# KiCad board line follower simple.kicad_pcb
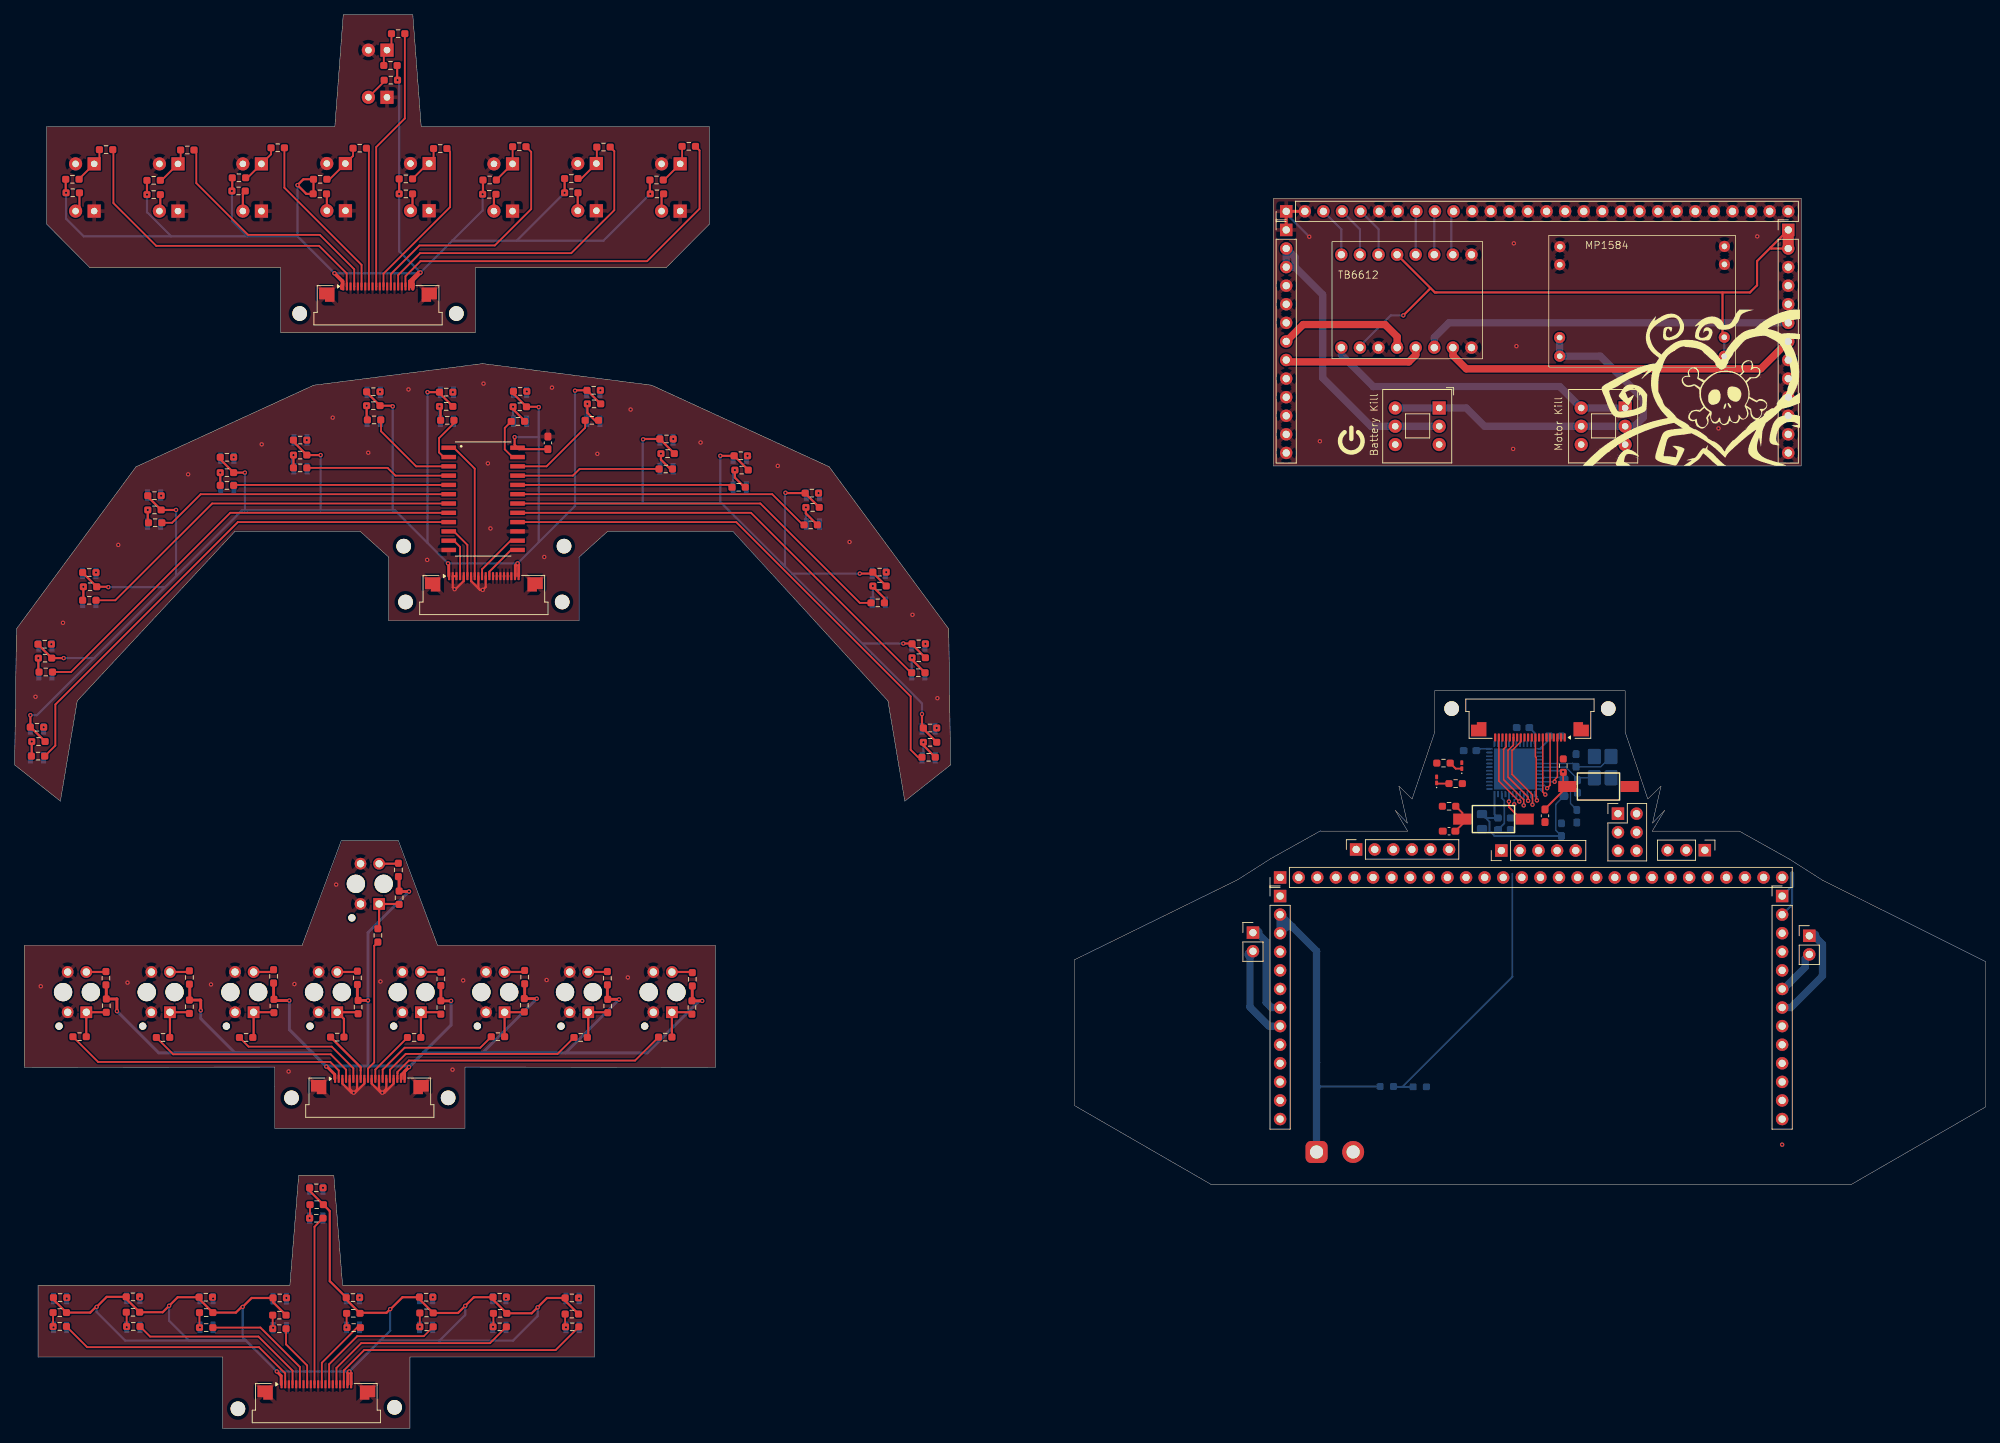
[diagram p0: board, top side]
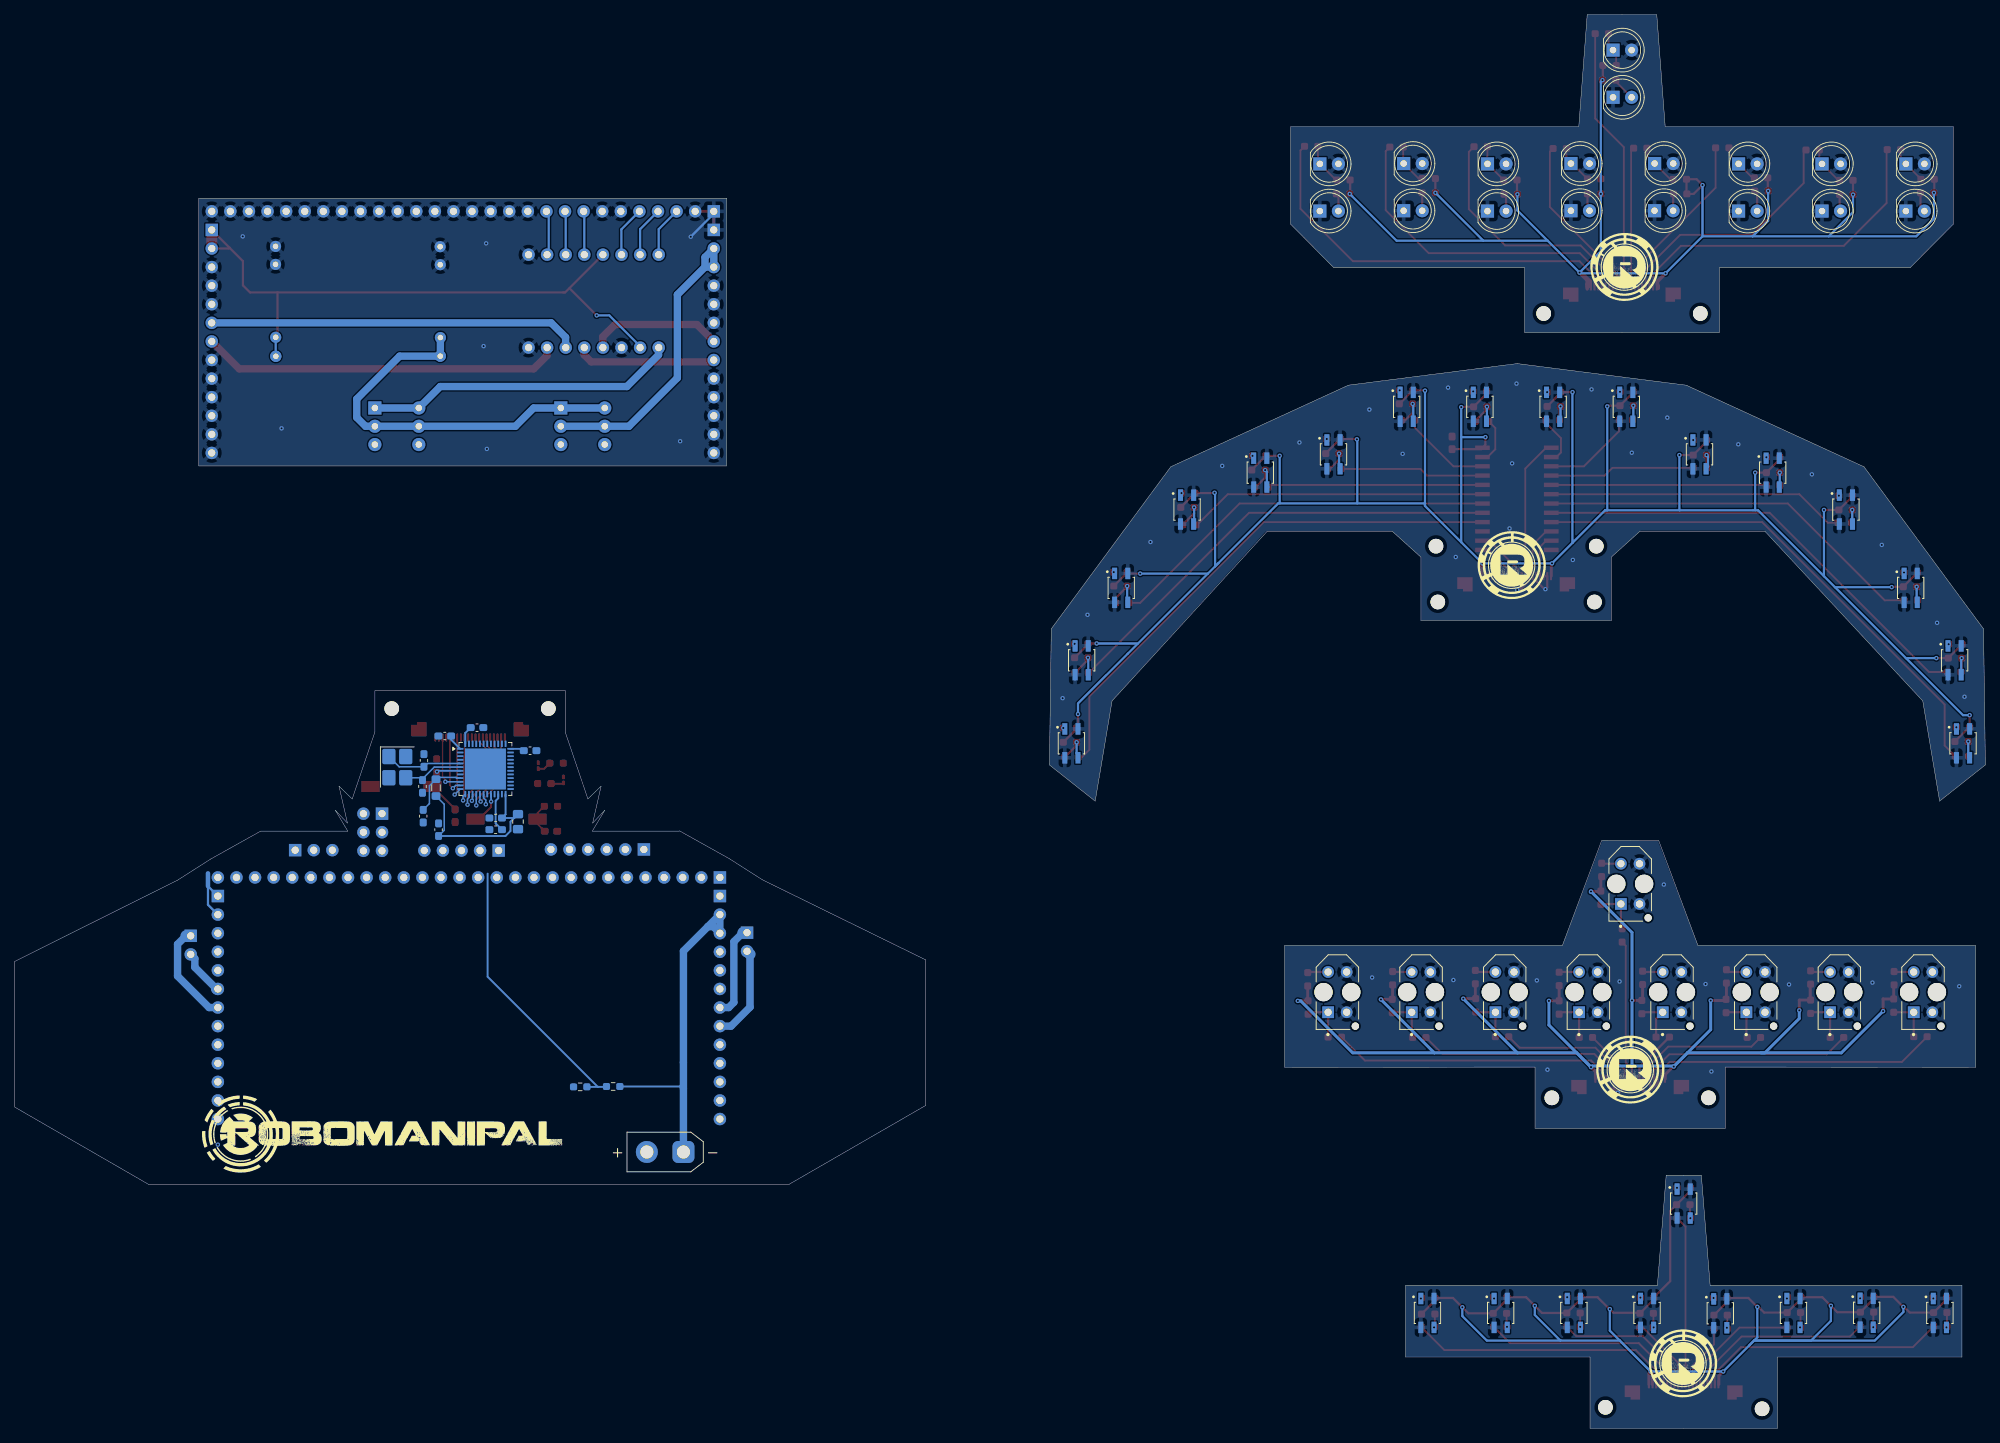
[diagram p1: board, bottom side, seen from below]

Outline 269.21 x 193.22 mm; copper layers: Top, Bottom. Coordinates in mm from the lower left corner of the outline.
Outline path: 81,122.6 77.1,119.08 77.1,110.4 51.1,110.4 51.1,119.08 47.2,122.6 30.1,122.6 8.55,99.43 6.25,85.73 0,90.68 0.25,109.28 16.58,131.43 40.85,142.58 63.9,145.53 63.95,145.53 87,142.58 111.27,131.43 127.6,109.28 127.85,90.68 121.6,85.73 119.3,99.43 98.11,122.6 81.01,122.6 ; 178.4,81.68 171.6,77.88 167.05,74.98 144.78,64.04 144.76,44.13 163.4,33.36 250.93,33.36 269.21,43.92 269.21,63.82 246.95,74.93 242.4,77.83 235.6,81.63 223.7,81.63 225.4,84.48 223.75,82.73 224.9,87.78 223.1,86.03 220,95.18 220,100.83 194,100.83 194,95.18 190.9,86.03 189.1,87.78 190.25,82.73 188.6,84.48 190.3,81.63 178.4,81.63 ; 1.32,66.03 39.27,66.03 44.62,80.33 52.42,80.33 57.77,66.03 95.72,66.03 95.72,49.35 61.52,49.38 61.52,41.03 35.52,41.03 35.52,49.38 1.32,49.35 1.32,66.03 ; 3.2,19.55 3.2,9.75 28.4,9.75 28.4,0 54,0 54,9.75 79.2,9.75 79.2,19.55 44.8,19.55 43.6,34.6 38.8,34.6 37.6,19.55 3.2,19.55 ; 4.39,164.57 4.39,177.92 43.74,177.92 44.89,193.22 54.39,193.22 55.54,177.92 94.89,177.92 94.89,164.57 88.99,158.62 62.94,158.62 62.94,149.77 36.34,149.77 36.34,158.62 10.29,158.62 4.39,164.57 ; 171.93,168.12 171.95,131.54 244.06,131.54 244.06,168.12 171.93,168.12
Stack: dielectric 0mm FR4 er 4.5 / Top 0.035mm / dielectric 1.51mm FR4 er 4.5 / Bottom 0.035mm / dielectric 0mm FR4 er 4.5

## Placement (name value [footprint] x y rotation side)
BT2  ~  [PinSocket_1x06_P2.54mm_Vertical]  183.25 79.13 90 top
C3  100n  [C_0603_1608Metric_Pad1.08x0.95mm_HandSolder]  198.8 92.63 180 bottom
C4  100n  [C_0603_1608Metric_Pad1.08x0.95mm_HandSolder]  203.5 83.43 0 bottom
C5  0.1u  [C_0603_1608Metric_Pad1.08x0.95mm_HandSolder]  209.05 83.73 270 top
C6  12p  [C_0603_1608Metric_Pad1.08x0.95mm_HandSolder]  213.3 91.29 90 bottom
C7  12p  [C_0603_1608Metric_Pad1.08x0.95mm_HandSolder]  213.5 87.74 270 bottom
C8  100n  [C_0603_1608Metric_Pad1.08x0.95mm_HandSolder]  210.45 94.63 0 bottom
C9  100n  [C_0603_1608Metric_Pad1.08x0.95mm_HandSolder]  206.05 95.78 180 bottom
C10  100n  [C_0603_1608Metric_Pad1.08x0.95mm_HandSolder]  72.85 134.7 90 top
C12  2.2u  [C_0603_1608Metric_Pad1.08x0.95mm_HandSolder]  203.5 81.83 0 bottom
C13  100n  [C_0603_1608Metric_Pad1.08x0.95mm_HandSolder]  195.95 81.63 180 top
C24  100n  [C_0603_1608Metric_Pad1.08x0.95mm_HandSolder]  213.4 83.68 270 bottom
C25  10u  [C_0603_1608Metric_Pad1.08x0.95mm_HandSolder]  211.3 81.83 90 bottom
D1  LED  [LED_D5.0mm_Clear]  10.87 166.37 180 bottom
D2  LED  [LED_D5.0mm_Clear]  33.72 166.37 180 bottom
D3  LED  [LED_D5.0mm_Clear]  68.02 166.37 180 bottom
D4  LED  [LED_D5.0mm_Clear]  79.46 166.42 180 bottom
D5  LED  [LED_D5.0mm_Clear]  90.91 166.37 180 bottom
D6  LED  [LED_D5.0mm_Clear]  50.87 181.92 180 bottom
D7  LED  [LED_D5.0mm_Clear]  22.32 166.37 180 bottom
D8  LED  [LED_D5.0mm_Clear]  45.19 166.42 180 bottom
D9  LED  [LED_D5.0mm_Clear]  56.62 166.42 180 bottom
D10  LED  [LED_0201_0603Metric_Pad0.64x0.40mm_HandSolder]  197.69 90.58 90 top
D11  LED  [LED_0201_0603Metric_Pad0.64x0.40mm_HandSolder]  194.25 88.63 90 top
F1  200mA  [Fuse_0805_2012Metric_Pad1.15x1.40mm_HandSolder]  200.45 82.93 270 bottom
FB1  600  [L_0805_2012Metric_Pad1.05x1.20mm_HandSolder]  211.65 87.58 270 bottom
G***  -  [LOGO]  227.15 142.23 0 top
G***#2  -  [LOGO]  182.6 135.08 0 top
G***#3  -  [LOGO]  49.3 158.78 180 bottom
G***#4  -  [LOGO]  48.5 49.08 180 bottom
G***#5  LOGO  [robo_logo.pretty]  219 40.23 180 bottom
G***#6  -  [LOGO]  41.3 8.93 180 bottom
G***#7  -  [LOGO]  64.7 118.03 180 bottom
H1  MountingHole  [2mm hole]  197.06 96.09 0 top
H2  MountingHole  [2mm hole]  218.46 96.09 0 top
H3  MountingHole  [2mm hole]  54.16 110.66 0 top
H4  MountingHole  [2mm hole]  75.56 110.66 0 top
H5  MountingHole  [2mm hole]  53.91 118.29 0 top
H6  MountingHole  [2mm hole]  75.81 118.29 0 top
H7  MountingHole  [2mm hole]  38.58 42.89 0 top
H8  MountingHole  [2mm hole]  59.98 42.89 0 top
H9  MountingHole  [2mm hole]  31.26 0.39 0 top
H10  MountingHole  [2mm hole]  52.66 0.59 0 top
H11  MountingHole  [2mm hole]  39.7 150.09 0 top
H12  MountingHole  [2mm hole]  61.1 150.09 0 top
J1  XT30UPB-M  [AMASS_XT30UPB-M_1x02_P5.0mm_Vertical]  177.85 37.78 0 bottom
J2  Conn_01x20_MountingPin  [Amphenol_F32Q-1A7x1-11020_1x20-1MP_P0.5mm_Horizontal]  64.1 113.58 0 top
J3  Conn_01x02_Pin  [PinHeader_1x02_P2.54mm_Vertical]  169.16 67.75 0 top
J4  Conn_01x02_Pin  [PinHeader_1x02_P2.54mm_Vertical]  245.16 67.32 0 top
J5  Conn_01x28_Pin  [PinHeader_1x28_P2.54mm_Vertical]  173.7 166.34 90 top
J6  Conn_01x20_MountingPin  [Amphenol_F32Q-1A7x1-11020_1x20-1MP_P0.5mm_Horizontal]  48.52 44.88 0 top
J7  Conn_01x20_MountingPin  [Amphenol_F32Q-1A7x1-11020_1x20-1MP_P0.5mm_Horizontal]  207 97.33 180 top
J8  Conn_01x28_Pin  [PinHeader_1x28_P2.54mm_Vertical]  172.87 75.3 90 top
J9  Conn_01x20_MountingPin  [Amphenol_F32Q-1A7x1-11020_1x20-1MP_P0.5mm_Horizontal]  41.21 3.12 0 top
J10  Conn_01x13_Pin  [PinHeader_1x13_P2.54mm_Vertical]  172.87 72.76 0 top
J11  Conn_01x13_Pin  [PinHeader_1x13_P2.54mm_Vertical]  241.45 72.76 0 top
J12  Conn_01x13_Pin  [PinHeader_1x13_P2.54mm_Vertical]  173.7 163.8 0 top
J13  Conn_01x13_Pin  [PinHeader_1x13_P2.54mm_Vertical]  242.28 163.8 0 top
J14  Conn_01x20_MountingPin  [Amphenol_F32Q-1A7x1-11020_1x20-1MP_P0.5mm_Horizontal]  49.64 153.17 0 top
J15  Conn_01x05_Pin  [PinHeader_1x05_P2.54mm_Vertical]  203.09 78.98 90 top
J16  Conn_01x06_Pin  [PinHeader_2x03_P2.54mm_Vertical]  219.03 84.02 0 top
J17  Conn_01x03_Pin  [PinHeader_1x03_P2.54mm_Vertical]  230.89 79.03 270 top
MP1  ~  [MP1584_fp]  216.57 152.05 90 top
Q1  BPW40  [LED_D5.0mm_Clear]  90.91 172.82 180 bottom
Q2  BPW40  [LED_D5.0mm_Clear]  56.62 172.87 180 bottom
Q3  BPW40  [LED_D5.0mm_Clear]  22.32 172.82 180 bottom
Q4  BPW40  [LED_D5.0mm_Clear]  79.46 172.87 180 bottom
Q5  BPW40  [LED_D5.0mm_Clear]  45.18 172.87 180 bottom
Q6  BPW40  [LED_D5.0mm_Clear]  10.87 172.82 180 bottom
Q7  BPW40  [LED_D5.0mm_Clear]  68.02 172.82 180 bottom
Q8  BPW40  [LED_D5.0mm_Clear]  33.72 172.82 180 bottom
Q9  BPW40  [LED_D5.0mm_Clear]  50.87 188.37 180 bottom
R3  R_Small  [R_0603_1608Metric_Pad0.98x0.95mm_HandSolder]  7.94 168.87 0 top
R4  R_Small  [R_0603_1608Metric_Pad0.98x0.95mm_HandSolder]  87.69 170.62 180 top
R5  10k  [R_0603_1608Metric_Pad0.98x0.95mm_HandSolder]  187.45 46.73 180 bottom
R6  3.3k  [R_0603_1608Metric_Pad0.98x0.95mm_HandSolder]  191.95 46.68 180 bottom
R7  R_Small  [R_0603_1608Metric_Pad0.98x0.95mm_HandSolder]  92.09 175.22 180 top
R8  R_Small  [R_0603_1608Metric_Pad0.98x0.95mm_HandSolder]  30.59 169.12 0 top
R9  R_Small  [R_0603_1608Metric_Pad0.98x0.95mm_HandSolder]  64.84 168.67 0 top
R10  R_Small  [R_0603_1608Metric_Pad0.98x0.95mm_HandSolder]  76.04 168.87 0 top
R11  R_Small  [R_0603_1608Metric_Pad0.98x0.95mm_HandSolder]  87.74 168.72 0 top
R12  R_Small  [R_0603_1608Metric_Pad0.98x0.95mm_HandSolder]  51.39 184.27 180 top
R13  R_Small  [R_0603_1608Metric_Pad0.98x0.95mm_HandSolder]  18.99 168.62 0 top
R14  R_Small  [R_0603_1608Metric_Pad0.98x0.95mm_HandSolder]  41.69 168.72 0 top
R15  R_Small  [R_0603_1608Metric_Pad0.98x0.95mm_HandSolder]  53.44 168.72 0 top
R16  R_Small  [R_0603_1608Metric_Pad0.98x0.95mm_HandSolder]  53.44 170.77 180 top
R17  R_Small  [R_0603_1608Metric_Pad0.98x0.95mm_HandSolder]  58.14 174.92 180 top
R18  R_Small  [R_0603_1608Metric_Pad0.98x0.95mm_HandSolder]  18.99 170.57 180 top
R19  220  [R_0603_1608Metric_Pad0.98x0.95mm_HandSolder]  3.2 91.88 180 top
R20  220  [R_0603_1608Metric_Pad0.98x0.95mm_HandSolder]  4.25 103.38 180 top
R21  220  [R_0603_1608Metric_Pad0.98x0.95mm_HandSolder]  10.2 113.18 180 top
R22  150  [R_0603_1608Metric_Pad0.98x0.95mm_HandSolder]  3.05 95.83 180 top
R23  150  [R_0603_1608Metric_Pad0.98x0.95mm_HandSolder]  4.1 107.18 180 top
R24  4k7  [R_0603_1608Metric_Pad0.98x0.95mm_HandSolder]  3.25 93.88 0 top
R25  4k7  [R_0603_1608Metric_Pad0.98x0.95mm_HandSolder]  4.15 105.28 0 top
R26  150  [R_0603_1608Metric_Pad0.98x0.95mm_HandSolder]  10.2 116.98 180 top
R27  4k7  [R_0603_1608Metric_Pad0.98x0.95mm_HandSolder]  10.3 115.03 0 top
R28  150  [R_0603_1608Metric_Pad0.98x0.95mm_HandSolder]  29 132.73 180 top
R29  4k7  [R_0603_1608Metric_Pad0.98x0.95mm_HandSolder]  29 130.62 0 top
R30  220  [R_0603_1608Metric_Pad0.98x0.95mm_HandSolder]  29 128.88 180 top
R31  150  [R_0603_1608Metric_Pad0.98x0.95mm_HandSolder]  39 135.08 180 top
R32  4k7  [R_0603_1608Metric_Pad0.98x0.95mm_HandSolder]  39 133.03 0 top
R33  220  [R_0603_1608Metric_Pad0.98x0.95mm_HandSolder]  39 131.28 180 top
R34  150  [R_0603_1608Metric_Pad0.98x0.95mm_HandSolder]  49 141.68 180 top
R35  4k7  [R_0603_1608Metric_Pad0.98x0.95mm_HandSolder]  49 139.78 0 top
R36  220  [R_0603_1608Metric_Pad0.98x0.95mm_HandSolder]  49.1 137.83 180 top
R37  150  [R_0603_1608Metric_Pad0.98x0.95mm_HandSolder]  69.05 141.73 180 top
R38  4k7  [R_0603_1608Metric_Pad0.98x0.95mm_HandSolder]  69 139.62 0 top
R39  220  [R_0603_1608Metric_Pad0.98x0.95mm_HandSolder]  68.75 137.62 0 top
R40  150  [R_0603_1608Metric_Pad0.98x0.95mm_HandSolder]  79.1 141.88 180 top
R41  4k7  [R_0603_1608Metric_Pad0.98x0.95mm_HandSolder]  79.15 140.03 0 top
R42  220  [R_0603_1608Metric_Pad0.98x0.95mm_HandSolder]  78.85 137.78 0 top
R43  150  [R_0603_1608Metric_Pad0.98x0.95mm_HandSolder]  89.05 135.23 180 top
R44  4k7  [R_0603_1608Metric_Pad0.98x0.95mm_HandSolder]  89.2 133.23 0 top
R45  220  [R_0603_1608Metric_Pad0.98x0.95mm_HandSolder]  88.95 131.12 0 top
R46  150  [R_0603_1608Metric_Pad0.98x0.95mm_HandSolder]  19.1 127.48 180 top
R47  150  [R_0603_1608Metric_Pad0.98x0.95mm_HandSolder]  58.95 141.62 180 top
R48  150  [R_0603_1608Metric_Pad0.98x0.95mm_HandSolder]  99.2 132.93 180 top
R49  150  [R_0603_1608Metric_Pad0.98x0.95mm_HandSolder]  92.57 61.38 90 top
R50  4k7  [R_0603_1608Metric_Pad0.98x0.95mm_HandSolder]  92.52 57.53 270 top
R51  220  [R_0603_1608Metric_Pad0.98x0.95mm_HandSolder]  88.87 53.48 180 top
R52  150  [R_0603_1608Metric_Pad0.98x0.95mm_HandSolder]  80.97 61.53 90 top
R53  4k7  [R_0603_1608Metric_Pad0.98x0.95mm_HandSolder]  81.02 57.73 270 top
R54  220  [R_0603_1608Metric_Pad0.98x0.95mm_HandSolder]  77.32 53.43 180 top
R55  150  [R_0603_1608Metric_Pad0.98x0.95mm_HandSolder]  69.67 61.68 90 top
R56  4k7  [R_0603_1608Metric_Pad0.98x0.95mm_HandSolder]  69.62 57.83 270 top
R57  220  [R_0603_1608Metric_Pad0.98x0.95mm_HandSolder]  66.02 53.53 180 top
R58  150  [R_0603_1608Metric_Pad0.98x0.95mm_HandSolder]  58.22 61.43 90 top
R59  4k7  [R_0603_1608Metric_Pad0.98x0.95mm_HandSolder]  58.22 57.53 270 top
R60  220  [R_0603_1608Metric_Pad0.98x0.95mm_HandSolder]  54.57 53.43 180 top
R61  150  [R_0603_1608Metric_Pad0.98x0.95mm_HandSolder]  46.82 61.58 90 top
R62  4k7  [R_0603_1608Metric_Pad0.98x0.95mm_HandSolder]  46.92 57.58 270 top
R63  220  [R_0603_1608Metric_Pad0.98x0.95mm_HandSolder]  44.07 53.48 180 top
R64  150  [R_0603_1608Metric_Pad0.98x0.95mm_HandSolder]  35.37 61.78 90 top
R65  4k7  [R_0603_1608Metric_Pad0.98x0.95mm_HandSolder]  35.42 57.73 270 top
R66  220  [R_0603_1608Metric_Pad0.98x0.95mm_HandSolder]  31.62 53.43 180 top
R67  150  [R_0603_1608Metric_Pad0.98x0.95mm_HandSolder]  23.87 61.62 90 top
R68  4k7  [R_0603_1608Metric_Pad0.98x0.95mm_HandSolder]  23.87 57.62 270 top
R69  220  [R_0603_1608Metric_Pad0.98x0.95mm_HandSolder]  20.27 53.43 180 top
R70  150  [R_0603_1608Metric_Pad0.98x0.95mm_HandSolder]  12.47 61.53 90 top
R71  4k7  [R_0603_1608Metric_Pad0.98x0.95mm_HandSolder]  12.52 57.78 270 top
R72  220  [R_0603_1608Metric_Pad0.98x0.95mm_HandSolder]  8.87 53.53 180 top
R73  150  [R_0603_1608Metric_Pad0.98x0.95mm_HandSolder]  52.42 76.33 90 top
R74  4k7  [R_0603_1608Metric_Pad0.98x0.95mm_HandSolder]  52.52 72.53 270 top
R75  220  [R_0603_1608Metric_Pad0.98x0.95mm_HandSolder]  49.62 67.38 270 top
R76  4k7  [R_0603_1608Metric_Pad0.98x0.95mm_HandSolder]  19.1 125.53 0 top
R77  4k7  [R_0603_1608Metric_Pad0.98x0.95mm_HandSolder]  58.95 139.68 0 top
R78  4k7  [R_0603_1608Metric_Pad0.98x0.95mm_HandSolder]  99.3 130.98 0 top
R79  220  [R_0603_1608Metric_Pad0.98x0.95mm_HandSolder]  19.2 123.78 180 top
R80  220  [R_0603_1608Metric_Pad0.98x0.95mm_HandSolder]  59.1 137.78 180 top
R81  220  [R_0603_1608Metric_Pad0.98x0.95mm_HandSolder]  98.9 128.62 0 top
R82  150  [R_0603_1608Metric_Pad0.98x0.95mm_HandSolder]  108.9 127.83 180 top
R83  4k7  [R_0603_1608Metric_Pad0.98x0.95mm_HandSolder]  109 125.88 0 top
R84  220  [R_0603_1608Metric_Pad0.98x0.95mm_HandSolder]  108.75 123.48 0 top
R85  150  [R_0603_1608Metric_Pad0.98x0.95mm_HandSolder]  118.15 117.03 180 top
R86  4k7  [R_0603_1608Metric_Pad0.98x0.95mm_HandSolder]  118.15 115.13 0 top
R87  220  [R_0603_1608Metric_Pad0.98x0.95mm_HandSolder]  117.9 112.83 0 top
R88  150  [R_0603_1608Metric_Pad0.98x0.95mm_HandSolder]  123.5 107.23 180 top
R89  4k7  [R_0603_1608Metric_Pad0.98x0.95mm_HandSolder]  123.5 105.33 0 top
R90  220  [R_0603_1608Metric_Pad0.98x0.95mm_HandSolder]  123.45 103.28 0 top
R91  150  [R_0603_1608Metric_Pad0.98x0.95mm_HandSolder]  125.05 95.73 180 top
R92  4k7  [R_0603_1608Metric_Pad0.98x0.95mm_HandSolder]  125.05 93.78 0 top
R93  220  [R_0603_1608Metric_Pad0.98x0.95mm_HandSolder]  124.85 91.73 0 top
R94  150  [R_0603_1608Metric_Pad0.98x0.95mm_HandSolder]  76.11 17.83 180 top
R95  150  [R_0603_1608Metric_Pad0.98x0.95mm_HandSolder]  46.21 17.88 180 top
R96  150  [R_0603_1608Metric_Pad0.98x0.95mm_HandSolder]  16.16 17.98 180 top
R97  4k7  [R_0603_1608Metric_Pad0.98x0.95mm_HandSolder]  76.11 15.62 0 top
R98  4k7  [R_0603_1608Metric_Pad0.98x0.95mm_HandSolder]  46.26 15.73 0 top
R99  4k7  [R_0603_1608Metric_Pad0.98x0.95mm_HandSolder]  16.16 15.88 0 top
R100  220  [R_0603_1608Metric_Pad0.98x0.95mm_HandSolder]  76.16 13.88 180 top
R101  220  [R_0603_1608Metric_Pad0.98x0.95mm_HandSolder]  46.31 13.78 180 top
R102  220  [R_0603_1608Metric_Pad0.98x0.95mm_HandSolder]  16.21 13.93 180 top
R103  150  [R_0603_1608Metric_Pad0.98x0.95mm_HandSolder]  66.26 17.93 180 top
R104  150  [R_0603_1608Metric_Pad0.98x0.95mm_HandSolder]  36.21 17.83 180 top
R105  150  [R_0603_1608Metric_Pad0.98x0.95mm_HandSolder]  6.21 17.88 180 top
R106  4k7  [R_0603_1608Metric_Pad0.98x0.95mm_HandSolder]  66.31 15.73 0 top
R107  4k7  [R_0603_1608Metric_Pad0.98x0.95mm_HandSolder]  36.16 15.48 0 top
R108  4k7  [R_0603_1608Metric_Pad0.98x0.95mm_HandSolder]  6.16 15.83 0 top
R109  220  [R_0603_1608Metric_Pad0.98x0.95mm_HandSolder]  66.26 13.88 180 top
R110  220  [R_0603_1608Metric_Pad0.98x0.95mm_HandSolder]  36.16 13.62 180 top
R111  220  [R_0603_1608Metric_Pad0.98x0.95mm_HandSolder]  6.16 13.93 180 top
R112  150  [R_0603_1608Metric_Pad0.98x0.95mm_HandSolder]  56.21 17.93 180 top
R113  150  [R_0603_1608Metric_Pad0.98x0.95mm_HandSolder]  26.11 17.93 180 top
R114  150  [R_0603_1608Metric_Pad0.98x0.95mm_HandSolder]  41.21 32.88 180 top
R115  4k7  [R_0603_1608Metric_Pad0.98x0.95mm_HandSolder]  56.26 15.78 0 top
R116  4k7  [R_0603_1608Metric_Pad0.98x0.95mm_HandSolder]  26.16 15.83 0 top
R117  4k7  [R_0603_1608Metric_Pad0.98x0.95mm_HandSolder]  41.26 30.58 0 top
R118  220  [R_0603_1608Metric_Pad0.98x0.95mm_HandSolder]  56.26 13.88 180 top
R119  220  [R_0603_1608Metric_Pad0.98x0.95mm_HandSolder]  26.16 13.78 180 top
R120  220  [R_0603_1608Metric_Pad0.98x0.95mm_HandSolder]  41.21 28.73 180 top
R121  R_Small  [R_0603_1608Metric_Pad0.98x0.95mm_HandSolder]  23.59 174.72 180 top
R122  R_Small  [R_0603_1608Metric_Pad0.98x0.95mm_HandSolder]  76.04 170.82 180 top
R123  R_Small  [R_0603_1608Metric_Pad0.98x0.95mm_HandSolder]  41.74 170.72 180 top
R124  R_Small  [R_0603_1608Metric_Pad0.98x0.95mm_HandSolder]  7.89 170.72 180 top
R125  R_Small  [R_0603_1608Metric_Pad0.98x0.95mm_HandSolder]  80.44 175.12 180 top
R126  R_Small  [R_0603_1608Metric_Pad0.98x0.95mm_HandSolder]  47.14 174.97 180 top
R127  R_Small  [R_0603_1608Metric_Pad0.98x0.95mm_HandSolder]  12.49 174.77 180 top
R128  R_Small  [R_0603_1608Metric_Pad0.98x0.95mm_HandSolder]  64.89 170.62 180 top
R129  R_Small  [R_0603_1608Metric_Pad0.98x0.95mm_HandSolder]  30.64 170.92 180 top
R130  R_Small  [R_0603_1608Metric_Pad0.98x0.95mm_HandSolder]  51.34 186.27 0 top
R131  R_Small  [R_0603_1608Metric_Pad0.98x0.95mm_HandSolder]  68.94 175.17 180 top
R132  R_Small  [R_0603_1608Metric_Pad0.98x0.95mm_HandSolder]  35.94 175.02 180 top
R133  R_Small  [R_0603_1608Metric_Pad0.98x0.95mm_HandSolder]  52.39 190.62 180 top
R134  1k  [R_0603_1608Metric_Pad0.98x0.95mm_HandSolder]  195.19 90.93 180 top
R135  10k  [R_0603_1608Metric_Pad0.98x0.95mm_HandSolder]  211.55 90.58 270 top
R136  1k  [R_0603_1608Metric_Pad0.98x0.95mm_HandSolder]  196.85 88.13 0 top
R138  10k  [R_0603_1608Metric_Pad0.98x0.95mm_HandSolder]  195.95 85.03 180 top
SW1  SW_Push  [Push button-fp]  216.3 87.73 0 top
SW5  SW_Push_DPDT  [SW_Push_2P2T_Toggle_CK_PVA2xxH3xxxxxxV2]  194.6 139.46 270 top
SW6  SW_Push_DPDT  [SW_Push_2P2T_Toggle_CK_PVA2xxH3xxxxxxV2]  220 139.46 270 top
SW7  SW_Push  [Push button-fp]  201.95 83.28 0 top
TB1  ~  [TB6612 module]  190.37 152.29 270 top
U1  74HC4067  [74HC4067-Mux]  64 127.03 0 top
U2  TCRT5000L  [XDCR_TCRT5000L]  88.52 59.62 90 bottom
U3  STM32F411CEUx  [QFN-48-1EP_7x7mm_P0.5mm_EP5.6x5.6mm]  204.9 90.13 180 bottom
U4  TCRT5000L  [XDCR_TCRT5000L]  77.09 59.62 90 bottom
U5  TCRT5000L  [XDCR_TCRT5000L]  65.66 59.62 90 bottom
U6  TCRT5000L  [XDCR_TCRT5000L]  54.23 59.62 90 bottom
U7  TCRT5000L  [XDCR_TCRT5000L]  42.8 59.62 90 bottom
U8  TCRT5000L  [XDCR_TCRT5000L]  31.37 59.62 90 bottom
U9  TCRT5000L  [XDCR_TCRT5000L]  19.94 59.62 90 bottom
U10  QRE1113GR  [QRE1113-SMD]  3.05 93.63 180 bottom
U11  QRE1113GR  [QRE1113-SMD]  4.2 104.98 180 bottom
U12  QRE1113GR  [QRE1113-SMD]  10.2 114.88 180 bottom
U13  QRE1113GR  [QRE1113-SMD]  29.05 130.62 180 bottom
U14  QRE1113GR  [QRE1113-SMD]  39.05 133.12 180 bottom
U15  QRE1113GR  [QRE1113-SMD]  49.05 139.62 180 bottom
U16  QRE1113GR  [QRE1113-SMD]  69.05 139.62 180 bottom
U17  QRE1113GR  [QRE1113-SMD]  79.05 139.62 180 bottom
U18  QRE1113GR  [QRE1113-SMD]  89.05 133.12 180 bottom
U19  TCRT5000L  [XDCR_TCRT5000L]  8.52 59.62 90 bottom
U20  TCRT5000L  [XDCR_TCRT5000L]  48.52 74.43 90 bottom
U21  QRE1113GR  [QRE1113-SMD]  19.05 125.58 180 bottom
U22  QRE1113GR  [QRE1113-SMD]  59.05 139.62 180 bottom
U23  QRE1113GR  [QRE1113-SMD]  99.05 130.62 180 bottom
U24  QRE1113GR  [QRE1113-SMD]  109.05 125.58 180 bottom
U25  QRE1113GR  [QRE1113-SMD]  118.05 114.88 180 bottom
U26  QRE1113GR  [QRE1113-SMD]  123.45 104.98 180 bottom
U27  QRE1113GR  [QRE1113-SMD]  124.85 93.63 180 bottom
U28  QRE1113GR  [QRE1113-SMD]  76.21 15.78 180 bottom
U29  QRE1113GR  [QRE1113-SMD]  46.21 15.78 180 bottom
U30  QRE1113GR  [QRE1113-SMD]  16.21 15.8 180 bottom
U31  QRE1113GR  [QRE1113-SMD]  66.21 15.78 180 bottom
U32  QRE1113GR  [QRE1113-SMD]  36.21 15.73 180 bottom
U33  QRE1113GR  [QRE1113-SMD]  6.21 15.78 180 bottom
U34  QRE1113GR  [QRE1113-SMD]  56.21 15.78 180 bottom
U35  QRE1113GR  [QRE1113-SMD]  26.21 15.78 180 bottom
U36  QRE1113GR  [QRE1113-SMD]  41.21 30.73 180 bottom
Y2  Crystal_GND24  [Crystal_SMD_3225-4Pin_3.2x2.5mm_HandSoldering]  216.94 90.38 270 bottom
